# Altium PCB V5_CORE_V1.2.PcbDoc (part 3 of 3)
Units mm, origin at the board's own origin, x right, y up, seen from the top; angles counter-clockwise.
Board outline 33.75 x 33.75 mm, 6 copper layers (Top Layer, GND, S1, S2, POWER, Bottom Layer), stack 1.231 mm thick; 142 components, 227 nets, 732 pads, 359 vias.
Unrouted connection lines stored in the file: 1.
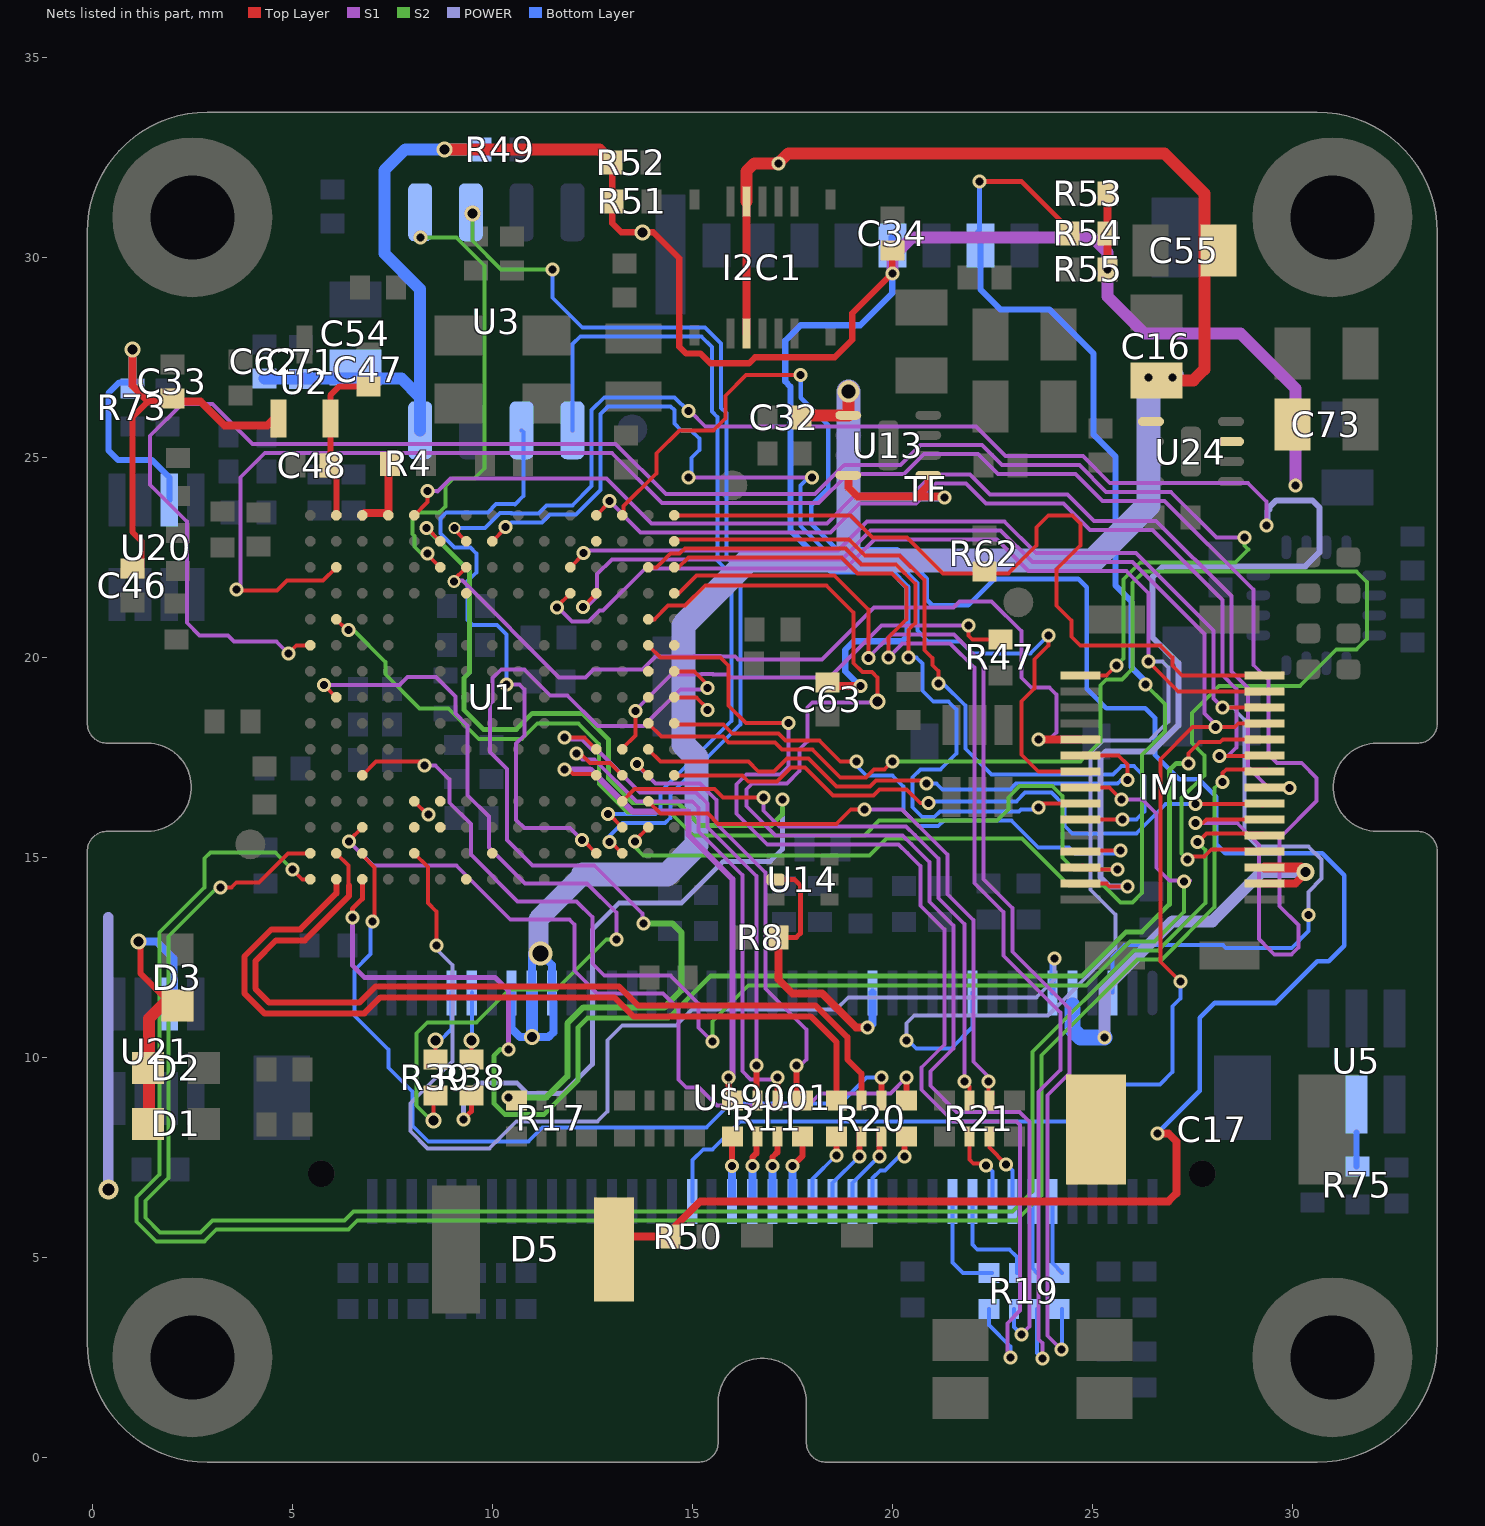
[diagram p7: the nets of this part, all layers, seen from the top]

## Via types
v1: diameter 0.35, hole 0.2, Top Layer to Bottom Layer, tented both sides, 330 vias
v2: diameter 0.4, hole 0.25, Top Layer to Bottom Layer, tented both sides, 18 vias
v3: diameter 0.325, hole 0.2, Top Layer to Bottom Layer, tented both sides, 3 vias
v4: diameter 0.4, hole 0.2, Top Layer to Bottom Layer, tented both sides, 2 vias
v5: diameter 0.6, hole 0.4, Top Layer to Bottom Layer, tented both sides, 1 vias
v6: diameter 0.3, hole 0.2, Top Layer to Bottom Layer, tented both sides, 1 vias
v7: diameter 0.32, hole 0.2, Top Layer to Bottom Layer, tented both sides, 1 vias
v8: diameter 0.55, hole 0.35, Top Layer to Bottom Layer, tented both sides, 1 vias
v9: diameter 0.45, hole 0.25, Top Layer to Bottom Layer, tented both sides, 1 vias
v10: diameter 0.5, hole 0.3, Top Layer to Bottom Layer, tented both sides, 1 vias

## Nets (pads, with @x,y where several pads share a name; then routed paths per layer and width w, separated by ;. In a path a pad name is that pad's centre, name@x,y a point inside that pad or via, vN(x,y) a via of type N, cw(c..) or ccw(c..) an arc to the next point about the centre after c; other vN are vias at no path point) (continued)
SDMMC1_D3: R54.2 TF.2 U1.B13 | length 37.6
  Top Layer w0.1: v1@13.567,15.417 U1.B13@13.9,15.75
  Top Layer w0.125: v1(22.175,31.9) 23.225,31.9 R54.2@24.425,30.7
  S2 w0.1: v1(13.567,15.398) 13.567,15.258 13.775,15.05 19.437,15.05 19.487,15.1 19.856,15.47 22.806,15.47 22.811,15.475 23.243,15.475 24.418,14.3 25.281,14.3 25.706,13.875 26.003,13.875 26.237,14.11 26.237,17.562 26.815,18.14 26.815,18.835 v1(26.325,19.325)
  Bottom Layer w0.125: TF.2@22.1,30.6 22.175,30.675 v1(22.175,31.9)
  Bottom Layer w0.15: TF.2@22.2,30.5 22.2,29.2 22.7,28.7 23.925,28.7 25.025,27.6 25.025,25.575 25.575,25.025 25.575,21.8 25.975,21.4 25.975,19.755 26.325,19.405 v1(26.325,19.325)
SENSE_RESET: R75.1 U5.5 | length 0.8
  Bottom Layer w0.15: R75.1@31.6,7.275 U5.5@31.6,8.125
SERIAL1_CTS: R11.5 U$9001.44 | length 1.5
  Top Layer w0.15: v1(15.995,7.286) R11.5@15.995,8.02
  Bottom Layer w0.2: U$9001.44@15.995,6.4 v1@15.995,7.186
SERIAL1_RTS: R11.6 U$9001.42 | length 1.6
  Top Layer w0.15: v1(16.503,7.286) 16.503,7.503 16.6,7.6 16.6,8 R11.6@16.625,8.025
  Bottom Layer w0.2: U$9001.42@16.503,6.4 v1@16.503,7.186
SERIAL1_RX: R11.8 U$9001.38 | length 1.6
  Top Layer w0.15: v1(17.507,7.286) 17.75,7.529 R11.8@17.75,8.025
  Bottom Layer w0.2: U$9001.38@17.507,6.4 v1@17.507,7.186
SERIAL1_TX: R11.7 U$9001.40 | length 1.6
  Top Layer w0.15: v1(17.007,7.286) 17.007,7.507 17.125,7.625 R11.7@17.125,8.025
  Bottom Layer w0.2: U$9001.40@17.007,6.4 v1@17.007,7.186
SERIAL2_CTS: R20.7 U$9001.32 | length 2
  Top Layer w0.15: v1(19.675,7.525) R20.7@19.675,8.1
  Bottom Layer w0.1: U$9001.32@19.007,6.4 19.007,6.863 19.67,7.525 v1(19.675,7.525)
SERIAL2_RTS: R20.8 U$9001.30 | length 2.2
  Top Layer w0.15: v1(20.3,7.525) R20.8@20.3,8.1
  Bottom Layer w0.1: U$9001.30@19.507,6.4 19.507,6.982 19.7,7.175 19.82,7.175 20.17,7.525 v1(20.3,7.525)
SERIAL2_RX: R20.6 U$9001.34 | length 2
  Top Layer w0.15: v1(19.175,7.525) R20.6@19.175,8.1
  Bottom Layer w0.1: U$9001.34@18.507,6.4 18.507,6.858 v1(19.175,7.525)
SERIAL2_TX: R20.5 U$9001.36 | length 2
  Top Layer w0.15: v1(18.6,7.55) R20.5@18.6,8.025 R20.5@18.6,8.125
  Bottom Layer w0.1: U$9001.36@18.007,6.4 18.007,6.957 v1(18.6,7.55)
SPI1_CS1_ICM20689: IMU.22 U1.H2 | length 27.1
  Top Layer w0.1: U1.H2@10,22.9 v1@10.333,23.233 ; v1(23.9,20.55) 23.9,20.3 23.55,19.95 23.55,19.225 23.225,18.9 23.225,17.575 23.65,17.15 IMU.22@24.7,17.15
  S1 w0.1: v1(14.9,24.5) v1(17.99,24.5)
  Bottom Layer w0.1: v1(10.333,23.252) 10.357,23.252 10.48,23.375 11.245,23.375 11.445,23.575 12.093,23.575 12.705,24.187 12.705,26.087 12.893,26.275 14.459,26.275 14.551,26.183 14.551,25.849 14.725,25.675 14.97,25.675 15.175,25.47 15.175,25.18 14.975,24.98 14.975,24.625 14.85,24.5 v1(14.9,24.5) ; v1(17.99,24.5) 17.904,24.5 17.704,24.3 17.704,23.279 18.518,22.465 20.025,22.465 20.629,21.861 20.629,20.671 20.9,20.4 21.7,20.4 22,20.1 23.45,20.1 v1(23.9,20.55)
SPI1_CS2_ICM20602: IMU.29 U1.J2 | length 43.7
  Top Layer w0.1: v6@8.998,23.233 9.017,23.233 U1.J2@9.35,22.9 ; IMU.29@24.7,14.35 25.35,14.35 25.425,14.275 v1(25.875,14.275)
  S1 w0.1: v1(14.901,26.151) 14.949,26.151 15.325,25.775 20.452,25.775 22.089,25.775 22.835,25.029 24.771,25.029 25.438,24.362 28.887,24.362 29.35,23.9 v1(29.35,23.3)
  POWER w0.15: v1(25.875,14.275) 25.425,14.275 25.2,14.5 25.2,17.5 25.346,17.646 26.5,17.646 27.15,18.296 27.15,19.854 26.5,20.504 26.5,22 26.775,22.275 30.325,22.275 30.675,22.625 30.675,23.75 30.5,23.925 29.6,23.925 29.4,23.725 29.425,23.7 29.375,23.65 29.375,23.325 v1(29.35,23.3)
  Bottom Layer w0.1: v6@8.998,23.233 9.818,23.233 10.188,23.602 10.478,23.602 10.48,23.6 11.152,23.6 11.352,23.8 12,23.8 12.48,24.28 12.48,26.18 12.8,26.5 14.552,26.5 v1(14.901,26.151)
  Bottom Layer w0.15: v1@25.875,14.225 v1(25.875,14.275)
  other v6: 9.05,23.226
SPI1_CS3_BMI055_GYRO: IMU.20 U1.J3 | length 21.6
  Top Layer w0.1: v3@9.017,21.917 U1.J3@9.35,22.25
  Top Layer w0.2: v1(23.65,17.95) IMU.20@24.7,17.95
  S1 w0.1: v3@9.017,21.917 9.251,21.917 11.669,19.5 12.331,19.5 12.531,19.7 13.757,19.7 14.082,20.025 15.043,20.025 15.044,20.026 15.707,20.026 15.708,20.025 16.075,20.025 16.15,19.95 18.242,19.95 19.542,21.25 21.537,21.25 21.687,21.4 22.482,21.4 23.225,20.657 23.225,19.5 23.475,19.25 23.925,19.25 24.1,19.075 24.1,18.125 23.925,17.95 v1(23.65,17.95)
  other v3: 9.042,21.892
SPI1_CS4_BMI055_ACC: IMU.21 U1.B10 | length 14.4
  Top Layer w0.1: U1.B10@13.9,17.7 14.21,17.39 16.41,17.39 16.65,17.15 17.045,17.15 17.37,17.475 17.907,17.475 18.607,16.775 19.438,16.775 19.588,16.925 20.775,16.925 v1(20.85,16.85) ; IMU.21@24.7,17.55 25.65,17.55 25.876,17.324 v1(25.876,16.926)
  Bottom Layer w0.1: v1(20.85,16.85) 21.1,16.85 21.25,16.7 22.95,16.7 23.09,16.84 25.633,16.84 25.7,16.907 ; v1@25.719,16.926 v1@25.751,16.926
SPI1_DRDY1_ICM20689: IMU.27 U1.A9 | length 14.1
  Top Layer w0.1: U1.A9@14.55,18.35 14.575,18.325 15.775,18.325 16,18.1 17.157,18.1 17.332,17.925 18.175,17.925 18.7,17.4 v1(19.1,17.4) ; IMU.27@24.7,15.15 24.725,15.175 v1(25.7,15.175)
  Bottom Layer w0.1: v1(19.1,17.4) 19.1,17.3 19.35,17.05 20,17.05 20.275,16.775 20.275,16.164 20.663,15.776 21.139,15.776 21.288,15.925 22.975,15.925 23.65,15.25 24.414,15.25 24.564,15.1 25.7,15.1 v1(25.7,15.175)
SPI1_DRDY2_BMI055_GYRO: IMU.5 U1.R14 | length 47.2
  Top Layer w0.1: v1@3.125,14.25 3.475,14.25 3.6,14.375 4.168,14.375 4.893,15.1 U1.R14@5.45,15.1 ; v1(27.626,15.376) 27.851,15.6 29.25,15.6 IMU.5@29.3,15.55
  S2 w0.1: v1@3.125,14.25 1.9,13.025 1.9,6.982 1.325,6.407 1.325,5.993 1.693,5.625 2.707,5.625 3.007,5.925 6.307,5.925 6.532,6.15 23.007,6.15 23.5,6.643 23.5,10.136 26.039,12.675 26.649,12.675 27.825,13.851 27.825,15.177 v1(27.626,15.376)
  other v1: 3.2,14.25
SPI1_DRDY3_BMI055_ACC: IMU.9 U1.R15 | length 50
  Top Layer w0.1: v1(5,14.7) 5.25,14.45 U1.R15@5.45,14.45 ; v1(28.251,16.876) 28.251,17.101 28.35,17.2 29.35,17.2 IMU.9@29.3,17.15
  S2 w0.1: v1(5,14.7) 4.575,15.125 2.961,15.125 2.8,14.964 2.8,14.243 1.675,13.118 1.675,7.075 1.1,6.5 1.1,5.9 1.6,5.4 2.8,5.4 3.1,5.7 6.4,5.7 6.625,5.925 23.1,5.925 23.725,6.55 23.725,10.043 26.132,12.45 26.742,12.45 28.05,13.758 28.05,16.726 v1@28.2,16.876
SPI1_DRDY4_ICM20602: IMU.28 U1.P5 | length 26.4
  Top Layer w0.1: U1.P5@6.1,20.95 6.374,20.676 v1(6.4,20.676) ; IMU.28@24.7,14.75 24.75,14.8 24.85,14.7 v1(25.628,14.7)
  S1 w0.1: v1(6.4,20.676) 6.4,20.575 v1@6.411,20.564
  S2 w0.1: v1(6.4,20.676) 6.529,20.676 7.325,19.88 7.325,19.581 8.181,18.725 8.9,18.725 9.663,17.962 10.737,17.962 11.125,18.35 12.15,18.35 12.662,17.838 12.662,16.837 13.375,16.125 14.45,16.125 15.025,15.55 19.3,15.55 19.67,15.92 22.62,15.92 22.9,16.2 22.9,16.5 23.187,16.787 24,16.787 24.25,16.537 24.25,15 24.55,14.7 v1(25.628,14.7)
SPI1_DRDY5_BMI055_GYRO: IMU.10 U1.D1 | length 23.3
  Top Layer w0.1: U1.D1@12.6,23.55 12.933,23.883 v1(12.933,23.902) ; v1(28.176,17.526) 29.226,17.526 29.275,17.575 IMU.10@29.3,17.55
  S1 w0.1: v1(12.933,23.902) 13.71,23.125 18.459,23.125 19.18,23.846 19.205,23.846 19.209,23.85 20.599,23.85 21.099,24.35 21.847,24.35 22.347,23.85 24.283,23.85 24.949,23.183 26.501,23.183 28.251,21.433 28.251,19.555 28.6,19.207 28.6,17.75 28.376,17.526 v1(28.176,17.526)
SPI1_DRDY6_BMI055_ACC: IMU.11 U1.N15 | length 35.6
  Top Layer w0.1: v1(27.4,17.35) 27.4,17.6 27.676,17.876 28.196,17.876 28.27,17.95 IMU.11@29.3,17.95
  Top Layer w0.125: v1(6.5,13.5) 6.5,13.713 6.75,13.963 U1.N15@6.75,14.45
  S1 w0.125: v1(6.5,13.5) 6.5,12.3 6.8,12 10.07,12 10.4,11.67 v1(10.4,10.2)
  S2 w0.125: v1(10.4,10.2) 10.2,10.2 10.038,10.038 10.038,9.15 10.037,8.85 10.312,8.575 11.296,8.575 12.138,9.416 12.138,10.741 12.384,10.987 14.409,10.987 15.459,12.038 24.747,12.038 25.847,13.138 26.238,13.138 26.925,13.825 26.925,17.175 27.1,17.35 v1(27.4,17.35)
SPI1_MISO: IMU.6 U1.P3 | length 51.4
  Top Layer w0.1: v1(3.6,21.7) 3.572,21.7 3.536,21.664 4.614,21.664 4.864,21.914 5.764,21.914 U1.P3@6.1,22.25 U1.P3@6.102,22.25 ; v1(27.576,15.851) 27.756,15.851 27.855,15.95 IMU.6@29.3,15.95
  S1 w0.1: v1(3.6,21.7) 3.7,21.8 3.7,24.5 4.312,25.112 12.988,25.112 14.246,23.854 18.157,23.854 18.878,24.575 18.903,24.575 18.907,24.579 20.297,24.579 20.797,25.079 22.149,25.079 22.649,24.579 24.585,24.579 25.251,23.912 26.803,23.912 29.025,21.69 29.025,19.813 29.4,19.438 29.4,17.575 29.62,17.355 30.237,17.355 30.605,16.986 30.605,16.405 29.675,15.475 29.675,13.782 30.151,13.306 30.151,12.931 30.15,12.929 30.15,12.75 29.975,12.575 29.55,12.575 29.425,12.7 29.171,12.954 29.171,15.305 28.625,15.851 v1(27.576,15.851)
SPI1_MOSI: IMU.7 U1.A11 | length 16.6
  Top Layer w0.1: U1.A11@14.55,17.05 16.25,17.05 16.4,16.9 17.113,16.9 17.463,17.25 17.814,17.25 18.514,16.55 19.531,16.55 19.681,16.7 20.357,16.7 20.706,16.351 v1(20.901,16.351) ; v1(27.576,16.326) 29.224,16.326 29.25,16.3 IMU.7@29.3,16.35
  Bottom Layer w0.1: v1(20.901,16.351) v1@20.901,16.399 ; v1(27.576,16.326) 26.826,16.326 26.1,15.6 24.5,15.6 24.3,15.8 24.3,16.3 23.985,16.615 23.315,16.615 23.1,16.4 v1@20.9,16.4 ; v1@20.9,16.4 v1@20.901,16.399
SPI1_SCK: IMU.4 U1.B9 | length 35.2
  Top Layer w0.1: U1.B9@13.9,18.35 14.236,18.014 15.768,18.014 15.907,17.875 17.064,17.875 17.239,17.7 18,17.7 18.7,17 19.345,17 19.545,17.2 19.8,17.2 v1(20,17.4) ; v1(27.375,14.95) 27.45,15.025 27.8,15.025 27.975,15.2 IMU.4@29.026,15.2
  S2 w0.1: v1(20,17.4) 24.7,17.4 25.2,17.9 25.2,19.3 25.35,19.45 25.745,19.45 26,19.705 26,21.857 26.293,22.15 31.6,22.15 31.862,21.888 31.862,20.462 31.6,20.2 31.1,20.2 30.188,19.288 28.174,19.288 27.49,18.603 27.49,17.86 27.8,17.55 27.8,17.05 27.226,16.476 27.226,15.099 v1(27.375,14.95)
SPI2_CS_FRAM: U1.K3 U3.1 | length 11.2
  Top Layer w0.1: v1@8.4,22.575 8.375,22.575 U1.K3@8.7,22.25
  S2 w0.1: v1(8.2,30.5) 9.1,30.5 9.8,29.8 9.8,24.725 9.55,24.475 9.025,24.475 8.825,24.275 8.825,23.775 8.675,23.625 8.175,23.625 8,23.45 8,23.081 8.05,23.032 8.05,22.775 8.225,22.6 v1(8.375,22.6)
SPI2_MISO: U1.C14 U3.2 | length 23.5
  Top Layer w0.1: v1@12.917,15.433 U1.C14@13.25,15.1
  S2 w0.1: v2(9.5,31.1) 9.5,30.418 10.218,29.7 v1(11.5,29.7)
  Bottom Layer w0.1: v1(11.5,29.7) 11.5,29 12.25,28.25 15.318,28.25 15.722,27.846 15.722,26.232 15.85,26.103 15.85,22.511 16.2,22.161 16.2,18.318 14.45,16.568 14.45,15.988 14.32,15.858 13.258,15.858 12.898,15.498 12.933,15.463 v1(12.933,15.383)
SPI2_MOSI: U1.C13 U3.5 | length 20.1
  Top Layer w0.1: v1@12.917,16.083 U1.C13@13.25,15.75
  Bottom Layer w0.1: U3.5@12.005,25.675 12.005,27.83 12.2,28.025 15.225,28.025 15.497,27.753 15.497,26.138 15.625,26.01 15.625,22.418 15.975,22.068 15.975,18.411 14.2,16.636 14.2,16.2 14.083,16.083 v1(12.898,16.083)
SPI2_SCK: U1.D14 U3.6 | length 15.8
  Top Layer w0.1: v1@12.267,15.433 U1.D14@12.6,15.1
  S1 w0.1: v1(10.36,19.325) 10.675,19.325 10.8,19.2 10.8,18.05 10.598,17.848 10.598,15.938 10.803,15.733 11.942,15.733 12.242,15.433 v1(12.248,15.433)
  Bottom Layer w0.1: v1(10.36,19.325) 10.36,20.571 10.12,20.811 9.5,20.811 9.375,20.936 9.375,21.748 9.38,21.753 9.38,21.905 9.6,22.125 9.6,22.6 9.458,22.742 9.05,22.742 8.7,23.092 8.7,23.475 8.85,23.625 9.892,23.625 10.094,23.827 10.571,23.827 10.573,23.825 10.775,24.027 10.775,25.635 U3.6@10.735,25.675
SPI4_CS1_MS5611: IMU.8 U1.L1 | length 29.7
  Top Layer w0.1: U1.L1@8.05,23.55 8.383,23.883 8.375,23.89 ; 8.375,23.891 v1(8.375,24.151) ; IMU.8@29.3,16.75 29.35,16.8 29.424,16.726 v1@29.976,16.726
  S1 w0.1: v1(8.375,24.151) 8.629,24.151 8.63,24.15 8.955,24.475 12.855,24.475 13.98,23.35 18.366,23.35 19.087,24.071 19.112,24.071 19.116,24.075 20.506,24.075 21.006,24.575 21.94,24.575 22.44,24.075 24.376,24.075 25.042,23.408 26.594,23.408 28.476,21.526 28.476,19.649 28.896,19.229 28.896,17.254 29.424,16.726 v1@29.976,16.726
  other v1: 29.926,16.726
SPI4_CS2: IMU.16 U1.R6 | length 45.8
  Top Layer w0.1: v1(4.9,20.1) 5.1,20.3 U1.R6@5.45,20.3 ; IMU.16@24.7,19.55 25.35,19.55 v1(25.6,19.8)
  S1 w0.1: v1(4.9,20.1) 4.6,20.4 3.544,20.4 3.394,20.55 2.679,20.55 2.362,20.867 2.362,23.392 1.438,24.317 1.438,25.53 2.245,26.337 3.008,26.337 4.008,25.337 13.081,25.337 14.339,24.079 18.064,24.079 18.785,24.8 18.81,24.8 18.814,24.804 20.204,24.804 20.704,25.304 22.242,25.304 22.742,24.804 24.678,24.804 25.344,24.137 26.963,24.137 28.1,23 28.9,23 v1(28.8,23)
  S2 w0.1: v1(25.6,19.8) 25.775,19.975 25.775,21.95 26.2,22.375 28.575,22.375 28.9,22.7 28.8,22.8 v1(28.8,23)
SPI4_MISO: IMU.23 U1.N11 | length 32.3
  Top Layer w0.1: U1.N11@6.75,17.05 7.09,17.39 8.21,17.39 v1(8.3,17.3) ; IMU.23@24.7,16.75 25.425,16.75 v1(25.725,16.45)
  S1 w0.1: v1(8.3,17.3) 8.575,17.3 8.925,16.95 8.925,16.375 9.473,15.827 9.473,15.064 10.636,13.9 12.111,13.9 12.5,13.511 12.5,12.35 12.8,12.05 14.45,12.05 15.15,11.35 15.15,10.75 v1(15.5,10.4) ; v1(25.725,16.45) 26.25,16.45 26.6,16.1 26.6,14.75 26.925,14.425 v1@27.438,14.425
  S2 w0.1: v1(15.5,10.4) 15.5,10.9 16.4,11.8 24.845,11.8 25.945,12.9 26.555,12.9 27.287,13.632 v1(27.287,14.4)
SPI4_MOSI: IMU.24 U1.B3 | length 19
  Top Layer w0.1: U1.B3@13.9,22.25 14.112,22.25 14.452,22.59 14.678,22.59 14.813,22.725 18.83,22.725 19.23,22.325 20.088,22.325 20.575,21.838 20.575,20.857 20.4,20.682 v1(20.4,20) ; v1@23.65,16.35 IMU.24@24.7,16.35
  Top Layer w0.125: IMU.24@24.7,16.35 IMU.24@24.737,16.313
  Bottom Layer w0.1: v1(20.4,20) 20.6,20 20.755,19.845 20.755,19.232 20.75,19.227 20.75,19.175 21.025,18.9 21.4,18.9 21.6,18.7 21.6,17.6 21.2,17.2 20.995,17.2 20.705,17.2 20.5,16.995 20.5,16.257 20.756,16.001 21.046,16.001 21.195,16.15 23.168,16.15 23.218,16.2 23.5,16.2 v1@23.65,16.35
  other v1: 23.65,16.25
SPI4_SCK: IMU.25 U1.A2 | length 18.9
  Top Layer w0.1: U1.A2@14.55,22.9 14.6,22.95 18.923,22.95 19.323,22.55 20.181,22.55 20.8,21.931 20.8,20.182 21,19.982 21,19.805 21.15,19.655 v1(21.15,19.35) ; IMU.25@24.7,15.95 v1(25.75,15.95)
  Bottom Layer w0.1: v1(21.15,19.35) 21.268,19.35 21.825,18.793 21.825,17.725 22.485,17.065 25.52,17.065 25.731,17.276 26.049,17.276 26.3,17.025 26.3,16.15 26.1,15.95 v1(25.75,15.95)
SPI5_CS1_EX1: IMU.12 U1.D4 U$9001.48 | length 45.7
  Top Layer w0.1: v1(12.263,21.252) 12.263,21.263 U1.D4@12.6,21.6 ; v1(27.2,11.9) 26.7,12.4 26.7,17.45 27.501,18.251 v1(28.076,18.251) 28.551,18.251 28.65,18.35 IMU.12@29.3,18.35
  S1 w0.1: v1(12.263,21.252) 12.344,21.252 12.348,21.248 12.617,21.517 12.617,22.078 12.99,22.45 18.738,22.45 19.459,23.171 19.485,23.171 19.489,23.175 22.707,23.175 23.505,22.377 26.005,22.377 27.801,20.58 27.801,18.599 v1@28.113,18.287 ; v1(28.076,18.251) v1@28.149,18.251
  Bottom Layer w0.1: U$9001.48@15.005,6.4 15.005,7.43 15.275,7.7 15.5,7.7 16.2,8.4 24.7,8.4 25.625,9.325 26.689,9.325 27,9.636 27,11.269 27.2,11.469 v1(27.2,11.9)
SPI5_CS2_EX1: IMU.13 U1.E3 U$9001.5 | length 34.5
  Top Layer w0.1: U1.E3@11.95,22.25 12.283,22.583 v1(12.283,22.602) ; v1(28.25,18.75) IMU.13@29.3,18.75
  S1 w0.1: v1(12.283,22.602) 12.355,22.675 18.645,22.675 19.366,23.396 19.392,23.396 19.396,23.4 22.8,23.4 23.598,22.602 26.098,22.602 28.026,20.674 28.026,18.974 v1(28.25,18.75)
  POWER w0.1: v1(28.25,18.75) 28.525,18.75 28.6,18.675 28.6,18.65 28.8,18.45 28.8,15.6 29.125,15.275 30.4,15.275 30.734,14.941 30.734,14.469 30.401,14.136 v1(30.401,13.551)
  Bottom Layer w0.1: U$9001.5@25.507,11.616 25.507,12.507 25.801,12.801 28.274,12.801 28.349,12.726 29.976,12.726 30.401,13.151 v1(30.401,13.551)
SPI5_CS3_EX1: IMU.14 U1.E4 U$9001.19 | length 40.3
  Top Layer w0.1: v1(11.617,21.248) 11.617,21.267 U1.E4@11.95,21.6 ; v1(26.4,19.9) 27.15,19.15 IMU.14@29.3,19.15
  S1 w0.1: v1(11.617,21.248) 11.647,21.248 11.997,20.898 12.404,20.898 12.679,21.173 12.773,21.173 13.825,22.225 18.832,22.225 19.553,22.946 19.578,22.946 19.582,22.95 22.614,22.95 23.411,22.152 25.85,22.152 26.4,21.602 v1(26.4,19.9)
  POWER w0.1: v1(20.35,10.425) 20.35,10.85 20.55,11.05 23.89,11.05 25.575,12.735 25.575,13.135 25.575,13.575 24.95,14.2 24.95,17.604 25.271,17.925 26.425,17.925 26.9,18.4 26.9,19.75 26.75,19.9 v1(26.4,19.9)
  Bottom Layer w0.1: v1@20.4,10.425 20.6,10.225 21.475,10.225 22.007,10.757 U$9001.19@22.007,11.616
SPI5_DRDY7_EXTERNAL1: U1.L14 U$9001.11 | length 28.2
  Top Layer w0.1: U1.L14@8.05,15.1 8.39,14.76 8.39,13.856 8.6,13.646 v1(8.6,12.8)
  POWER w0.1: v1(8.6,12.8) 8.6,12.71 9,12.31 9,9.9 7.95,8.85 7.95,8.155 8.38,7.725 9.925,7.725 10.6,8.4 12.625,8.4 12.875,8.65 12.875,10.425 13.25,10.8 14.6,10.8 14.989,11.189 18.589,11.189 18.9,11.5 23.6,11.5 24.05,11.95 v1(24.05,12.475)
  Bottom Layer w0.15: U$9001.11@24.007,11.616 v1@24.007,12.475
SPI6_CS3_EXTERNAL2: U1.D2
SPI6_MOSI_EX2: U1.A6
SPI6_MOSI_EXTERNAL2: U1.B8
SPI6_SCK_EXTERNAL2: U1.A8 | length 1
  Top Layer w0.1: U1.A8@14.55,19 15.1,19 15.376,18.724 v1(15.376,18.676)
SPIAUX_CS_MEM: U1.J4
TF_3V3: C34.2 C54.1 C62.2 C63.2 C71.2 C73.1 R49.1 R51.1 R52.1 R53.1 R54.1 R55.1 TF.4 U3.8 U24.7 | length 66.6
  Top Layer w0.154: R52.1@13,32.375 13,30.85 13.225,30.625 v2(13.75,30.625) 14.025,30.625 14.675,29.975 14.675,27.764 14.841,27.598 15.202,27.598 15.448,27.352 16.421,27.352 16.571,27.502 18.563,27.502 19,27.939 19,28.6 v1(20,29.6) ; C34.2@20,29.95 v1(20,29.6) ; C34.2@20,30.175 v1(20,29.6)
  Top Layer w0.2: C63.2@18.25,19.35 18.324,19.276 v1(19.201,19.276) ; v1(25.375,29.7) R54.1@25.375,30.6 R53.1@25.375,31.6 R53.1@25.375,31.7
  Top Layer w0.3: v2(8.8,32.7) 12.675,32.7 R52.1@13,32.375
  S1 w0.3: v1(20,29.6) 20,30 20.5,30.5 25,30.5 25.375,30.125 v1(25.375,29.7) 25.375,29.025 26.3,28.1 28.7,28.1 30.075,26.725 v1(30.075,24.3)
  Bottom Layer w0.154: v1(19.201,19.276) 19.199,19.276 18.823,19.652 18.823,20.183 19.04,20.4 20.25,20.4 20.377,20.527 20.377,21.756 19.985,22.148 18.479,22.148 17.452,23.175 17.452,26.767 17.324,26.895 17.324,27.917 17.706,28.3 19.2,28.3 20,29.1 v1(20,29.6)
  Bottom Layer w0.2: v1(20,29.6) TF.4@20,30.5
  Bottom Layer w0.3: C62.2@4.3,26.975 7.725,26.975 8.195,26.505 ; U3.8@8.195,25.675 8.195,26.505 ; R49.1@9.725,32.7 v2(8.8,32.7) 7.825,32.7 7.3,32.175 7.3,30.1 8.195,29.205 8.195,26.505
UART4_RX: R21.2 U1.B12 | length 15
  Top Layer w0.1: U1.B12@13.9,16.4 14.21,16.09 15.392,16.09 15.644,15.837 18.6,15.837 18.962,16.2 v1(19.3,16.2) ; R21.2@22.4,9.092 v1(22.4,9.4) ; R21.2@22.425,8.925 22.379,8.971 R21.2@22.5,9.092
  S1 w0.1: v1(19.3,16.2) 20.239,16.2 20.663,15.776 21.375,15.064 21.375,14.08 22.025,13.43 22.025,9.9 22.5,9.425 v1@22.5,9.4
UART4_RX_PORT: R21.7 U$9001.16 | length 1.9
  Top Layer w0.1: R21.7@22.425,8.025 22.425,7.743 v1(22.843,7.325)
  Bottom Layer w0.1: v1@22.85,7.325 23.007,7.168 U$9001.16@23.007,6.4
UART4_TX: R21.3 U1.C12 | length 15.3
  Top Layer w0.1: U1.C12@13.25,16.4 13.56,16.71 15.554,16.71 15.764,16.5 v1@16.8,16.5 ; v1(21.8,9.4) 21.925,9.275 R21.3@21.925,8.925
  S1 w0.1: v1@16.8,16.5 16.775,16.475 16.775,16.175 17.175,15.775 20.345,15.775 20.57,15.551 21.15,14.97 21.15,13.986 21.8,13.336 v1(21.8,9.4)
  other v1: 16.775,16.5
UART4_TX_PORT: R21.6 U$9001.18 | length 2
  Top Layer w0.1: R21.6@21.925,8.025 21.925,7.45 22.025,7.35 22.293,7.35 v1(22.343,7.3)
  Bottom Layer w0.1: v1@22.35,7.3 22.507,7.143 U$9001.18@22.507,6.4
UART7_RX: R38.1 U1.K2 | length 31.2
  Top Layer w0.1: v1@8.348,23.233 8.367,23.233 U1.K2@8.7,22.9
  Top Layer w0.125: v1(9.275,8.45) 9.475,8.65 R38.1@9.475,9.05
  S2 w0.125: v1@8.348,23.226 v1@8.348,23.233 ; v1@8.375,23.226 v1(8.35,23.226) 9.425,22.152 9.425,19.613 9.288,19.476 9.288,18.687 9.775,18.2 10.6,18.2 11,18.6 12.25,18.6 12.9,17.95 12.9,16.975 13.5,16.375 14.625,16.375 15.2,15.8 16.975,15.8 17.25,16.075 v1@17.25,16.375
  POWER w0.125: v1(9.275,8.45) 9.275,8.975 9.663,9.363 10.612,9.363 10.875,9.1 11.775,9.1 12.5,9.825 12.5,13.189 13.172,13.861 14.736,13.861 15.775,14.9 16.95,14.9 17.25,15.2 v1(17.25,16.45)
UART7_RX_PORT: R38.2 U$9001.69 | length 1.7
  Top Layer w0.1: v2@9.45,10.4 9.475,10.375 R38.2@9.475,9.95
  Bottom Layer w0.1: v2(9.475,10.425) 9.493,10.443 U$9001.69@9.493,11.616
UART7_TX: R39.1 U1.P8 | length 21.7
  Top Layer w0.1: v1@5.764,19.336 v1(5.789,19.311) U1.P8@6.1,19 ; v2(8.525,8.425) 8.525,9 R39.1@8.575,9.05
  S1 w0.1: v1(5.789,19.311) 7.686,19.311 7.876,19.501 8.599,19.501 9.075,19.025 9.075,18.593 9.375,18.293 9.375,16.561 9.923,16.014 9.923,15.25 10.823,14.35 12.364,14.35 13.1,13.614 v1(13.1,12.95)
  S2 w0.1: v2(8.525,8.425) 8.475,8.425 8.1,8.8 8.1,10.6 8.375,10.875 9.6,10.875 10.425,11.7 11.6,11.7 12.85,12.95 v1(13.1,12.95)
UART7_TX_PORT: R39.2 U$9001.71 | length 2
  Top Layer w0.1: R39.2@8.575,9.95 8.575,10.375 v2@8.625,10.425
  Bottom Layer w0.1: v2@8.5,10.4 8.675,10.4 8.985,10.71 U$9001.71@8.985,11.616
  other v2: 8.575,10.425
UART8_RX: R19.1 U1.A4 | length 29.5
  Top Layer w0.1: U1.A4@14.55,21.6 14.657,21.6 15.107,22.05 18.55,22.05 19.4,21.2 v1(19.4,19.977)
  S1 w0.1: v1(19.4,19.977) 19.4,19.995 19.98,20.575 21.538,20.575 22.275,19.838 22.275,14.452 23,13.727 23,12.643 24.425,11.218 24.425,9.589 23.875,9.039 23.875,3.05 v1(24.225,2.7)
  Bottom Layer w0.1: v1(24.225,2.7) 24.248,2.723 R19.1@24.248,3.711
UART8_RX_DEBUG: R19.8 U$9001.12 | length 1.9
  Bottom Layer w0.1: U$9001.12@24.007,6.4 24.007,4.851 R19.8@24.248,4.61
UART8_TX: R19.2 U1.A3 | length 30.4
  Top Layer w0.1: U1.A3@14.55,22.25 14.557,22.243 14.65,22.243 14.907,22.5 18.736,22.5 19.136,22.1 19.995,22.1 20.35,21.745 20.35,20.95 19.9,20.5 v1(19.9,20)
  S1 w0.1: v1(19.9,20) 19.905,20 20.255,20.35 20.3,20.35 21.445,20.35 22.05,19.745 22.05,14.359 22.775,13.634 22.775,12.55 24.2,11.125 24.2,9.682 23.65,9.132 23.65,2.957 23.75,2.857 v1(23.75,2.475)
  Bottom Layer w0.1: R19.2@23.623,3.711 23.623,2.602 v1(23.75,2.475)
UART8_TX_DEBUG: R19.7 U$9001.14 | length 1.8
  Bottom Layer w0.1: U$9001.14@23.507,6.4 23.507,4.726 R19.7@23.623,4.61
UI_LED_BLUE: U1.K12
UI_LED_GREEN: U1.L12 | length 0.5
  Top Layer w0.1: U1.L12@8.05,16.4 8.383,16.067 v1(8.402,16.067)
UI_LED_RED: U1.L13
USART1_GPS1_RX: R19.6 U$9001.20 | length 2.7
  Bottom Layer w0.1: U$9001.20@22.007,6.4 22.007,5.318 22.125,5.2 22.925,5.2 23.123,5.002 R19.6@23.123,4.61
USART1_GPS1_TX: R19.5 U$9001.22 | length 2.6
  Bottom Layer w0.1: U$9001.22@21.507,6.4 21.507,4.868 21.765,4.61 R19.5@22.498,4.61
USART1_RX_GPS: R19.3 U1.B5 | length 34
  Top Layer w0.1: U1.B5@13.9,20.95 14.05,20.95 14.39,21.29 14.815,21.29 15.325,21.8 18.35,21.8 19.025,21.125 19.025,19.857 19.255,19.627 19.498,19.627 19.625,19.5 v2(19.625,18.9)
  S1 w0.1: v2(19.625,18.9) 19.6,18.875 18,18.875 17.875,18.75 17.875,17.9 17.675,17.7 17.675,17.157 17.368,16.85 16.5,16.85 16.35,16.7 16.35,16.282 17.082,15.55 20.252,15.55 20.476,15.326 20.925,14.877 20.925,13.893 21.525,13.293 21.525,10.22 20.95,9.645 20.95,9.293 21.606,8.638 23.181,8.638 23.425,8.393 23.425,3.275 v1(23.225,3.075)
  Bottom Layer w0.1: R19.3@23.048,3.711 23.048,3.252 v1@23.25,3.05
USART1_TX_GPS: R19.4 U1.B6 | length 29.6
  Top Layer w0.1: U1.B6@13.9,20.3 14.21,19.99 15.71,19.99 15.9,19.8 15.9,18.8 16.349,18.351 v1(17.401,18.351)
  S1 w0.1: v1(17.401,18.351) 17.401,17.276 17.2,17.075 16.35,17.075 16.1,16.825 16.1,16.1 16.875,15.325 20.159,15.325 20.383,15.101 20.7,14.784 20.7,13.8 21.3,13.2 21.3,10.313 20.725,9.738 20.725,9.2 21.525,8.4 23.1,8.4 23.193,8.307 23.193,3.668 22.875,3.35 22.875,2.575 v1(22.95,2.5)
  Bottom Layer w0.1: R19.4@22.423,3.711 22.423,3.302 22.95,2.775 v1(22.95,2.5)
USART2_CTS: R11.4 U1.D11 | length 12.1
  Top Layer w0.1: v1@11.9,17.2 12.017,17.083 12.6,17.083 U1.D11@12.6,17.05
  Top Layer w0.15: v1(15.9,9.5) 15.9,9.025 R11.4@16,8.925
  S1 w0.15: v1(11.8,17.2) 12.446,17.2 13.5,16.146 14.9,16.146 14.9,15.557 16,14.457 16,9.841 16,9.5 v1(15.9,9.5)
USART2_RTS: R11.3 U1.D10 | length 12.9
  Top Layer w0.1: v1(11.8,18) 12.3,18 U1.D10@12.6,17.7
  Top Layer w0.15: R11.3@16.6,8.95 R11.3@16.625,8.925 ; R11.3@16.6,9.15 v1(16.6,9.8)
  S1 w0.1: v1(11.8,18) 11.85,17.95 12.245,17.95 12.52,17.675 12.643,17.675 13.697,16.621 14.51,16.621 15.097,16.621 15.375,16.343 15.375,15.757 15.375,15.753 16.6,14.528 16.6,13.472 v1(16.6,9.8)
USART2_RX: R11.1 U1.B11 | length 11.6
  Top Layer w0.1: v1@13.567,17.383 U1.B11@13.9,17.05
  Top Layer w0.15: v1(17.6,9.8) 17.6,9 R11.1@17.7,8.9
  S1 w0.1: v1@13.548,17.383 14.084,16.846 14.604,16.846 15.19,16.846 15.6,16.436 15.6,15.85 15.6,15.846 16.825,14.621 16.825,11.721 17.85,10.696 17.85,9.95 17.7,9.8 v1(17.6,9.8)
  other v1: 13.623,17.333
USART2_TX: R11.2 U1.C11 | length 13.6
  Top Layer w0.1: v1(12.1,17.6) 12.2,17.6 12.44,17.36 12.94,17.36 U1.C11@13.25,17.05
  Top Layer w0.15: R11.2@17.125,8.925 v1(17.125,9.5)
  S1 w0.1: v1(12.1,17.6) 12.25,17.45 12.55,17.45 13.604,16.396 14.417,16.396 15.004,16.396 15.15,16.25 15.15,15.664 15.15,15.66 16.25,14.56 16.25,9.945 16.25,9.655 16.455,9.45 17.075,9.45 v1(17.125,9.5)
USART3_CTS: R20.2 U1.N14 | length 20.9
  Top Layer w0.1: U1.N14@6.75,15.1 6.75,15.055 7.06,14.745 7.06,13.46 v1(7,13.4)
  Top Layer w0.15: R20.2@19.725,8.925 v1(19.725,9.5)
  Bottom Layer w0.1: v1(7,13.4) 6.959,13.359 6.959,12.577 6.55,12.168 6.55,11.05 7.4,10.2 7.4,9.75 8,9.15 8,8.3 8.4,7.9 10.9,7.9 11.25,8.25 15.35,8.25 15.95,8.85 18.704,8.85 19.354,9.5 v1(19.725,9.5)
USART3_RTS: R20.1 U1.N13 | length 19.7
  Top Layer w0.1: v1(6.417,15.398) 6.417,15.417 U1.N13@6.75,15.75
  Top Layer w0.15: R20.1@20.35,8.925 v1(20.35,9.5)
  S1 w0.1: v1(6.417,15.398) 7.015,14.8 9.1,14.8 10.45,13.45 11.925,13.45 12.05,13.325 12.05,12.164 12.614,11.6 14.264,11.6 14.65,11.214 14.65,9.45 14.85,9.25 15.166,9.25 15.616,8.8 17.9,8.8 18.2,9.1 19.95,9.1 v1(20.35,9.5)
USART3_RX: R20.3 U1.P14 | length 22.3
  Top Layer w0.1: U1.P14@6.1,15.1 6.41,14.79 6.41,14.293
  Top Layer w0.15: 6.417,14.293 6.417,14.028 5.314,12.925 4.595,12.925 4.075,12.405 4.075,11.714 4.414,11.375 6.686,11.375 7.086,11.775 13.164,11.775 13.639,11.3 18.076,11.3 18.875,10.501 18.875,9.944 19.225,9.594 R20.3@19.225,8.925
USART3_TX: R20.4 U1.P15 | length 21.3
  Top Layer w0.15: U1.P15@6.1,14.45 6.1,14.1 5.2,13.2 4.481,13.2 3.8,12.519 3.8,11.6 4.3,11.1 6.8,11.1 7.2,11.5 13.05,11.5 13.525,11.025 17.962,11.025 18.6,10.387 R20.4@18.6,8.925
USART6_CTS: U1.B7
USART6_RTS: U1.H14
USART6_RX: R47.1 U1.C10 | length 11.5
  Top Layer w0.1: U1.C10@13.25,17.7 13.25,17.714 13.576,18.04 v1(13.576,18.651) ; v1(21.9,20.8) 21.9,20.55 22,20.45 R47.1@22.7,20.45
  S1 w0.1: v1(13.576,18.651) 13.576,18.676 14.475,19.575 15.23,19.575 15.231,19.576 15.521,19.576 15.522,19.575 15.888,19.575 15.963,19.5 18.428,19.5 19.728,20.8 v1(21.9,20.8)
USART6_TX: R17.4 U1.A7 | length 24.8
  Top Layer w0.1: U1.A7@14.55,19.65 15.05,19.65 v1@15.425,19.275
  S1 w0.1: v1@13.75,13.35 13.75,13.6 12.55,14.8 11.009,14.8 10.373,15.436 10.373,17.202 9.948,17.627 9.948,18.828 10.01,18.89 10.01,19.485 10.225,19.7 10.8,19.7 11.45,19.05 11.875,19.05 12.642,18.283 13.783,18.283 14.7,19.2 15.35,19.2 v1(15.376,19.226)
  S2 w0.15: v1(10.4,9) 11.35,9 11.875,9.525 11.875,10.85 12.275,11.25 14.3,11.25 14.725,11.675 14.725,13.125 14.5,13.35 v1(13.775,13.35)
VBAT: D5.1 R50.1 U1.C1 | length 57.5
  Top Layer w0.1: U1.C1@13.25,23.55 13.283,23.583 13.283,23.783 14.1,24.6 14.1,25.095 14.68,25.675 15.525,25.675 15.825,25.975 15.825,26.528 16.349,27.051 v1(17.701,27.051)
  Top Layer w0.12: D5.1@12.949,5.1 D5.1@13.374,5.525
  Top Layer w0.2: D5.1@13.374,5.525 R50.1@14.45,5.525 14.45,5.65 15.2,6.4 26.9,6.4 27.1,6.6 27.1,7.9 26.9,8.1 v1(26.625,8.1)
  Bottom Layer w0.12: v1(17.701,27.051) 17.714,27.038 17.714,26.486 18.4,25.8 18.4,24.225 17.975,23.8 17.975,23.341 18.616,22.7 20.122,22.7 20.864,21.958 20.864,21.436 21,21.3 21.9,21.3 22.56,21.96 24.649,21.96 24.86,21.749 24.86,19.215 25.35,18.725 26.325,18.725 26.565,18.485 26.565,17.56 27.175,16.95 27.659,16.95 28.1,16.509 28.1,15.325 28.325,15.1 30.75,15.1 31.3,14.55 31.3,12.791 30.909,12.4 30.627,12.4 29.587,11.36 28.06,11.36 27.685,10.985 27.685,9.16 v1(26.625,8.1)
VBUS: R8.2 U14.5 U$9001.29 | length 7
  Top Layer w0.1: R8.2@17.15,13 R8.2@17.189,13
  Top Layer w0.125: U14.5@17.085,14.441 17.559,14.441 17.7,14.3 17.7,13.1 17.6,13 R8.2@17.189,13
  Top Layer w0.2: R8.2@17.15,13 17.15,11.95 17.5,11.6 18.241,11.6 19.09,10.751 v1(19.376,10.751)
  Bottom Layer w0.2: v1@19.5,10.83 U$9001.29@19.5,11.616
VDD_3V3_SENSORS_EN: IMU.15 R62.1 U1.A1 | length 20.3
  Top Layer w0.1: U1.A1@14.55,23.55 18.959,23.55 19.509,23 20.368,23 21.268,22.1 22.9,22.1 23.6,22.8 23.6,23.25 23.9,23.55 24.5,23.55 24.7,23.35 24.7,22.8 24.1,22.2 24.1,21.3 24.475,20.925 24.475,20.525 24.7,20.3 26.7,20.3 27,20 27,19.8 27.25,19.55 IMU.15@29.3,19.55
VDD_5V_IN: C16.1 C32.2 C33.2 C46.1 C55.1 D1.1 D2.1 D3.1 I2C1.2 I2C1.9 R73.2 U2.1 U13.1 U13.4 U13.5 U20.3 U21.3 U24.1 U$9001.61 U$9001.63 U$9001.65 | length 96.3
  Top Layer w0.15: v2@1.153,12.847 v2(1.153,12.9) 1.2,12.853 1.2,12.1 1.875,11.425 D3.1@2,11.3 ; C46.1@1.225,22.275 1.225,22.906 1,23.131 1,26 1.4,26.4 ; C33.2@1.925,26.4 C33.2@2,26.475
  Top Layer w0.2: v2(1,27.7) 1,26.8 1.4,26.4 1.925,26.4 2.7,26.4 3.3,25.8 4.375,25.8 U2.1@4.65,26.075 ; I2C1.2@16.35,28.1 I2C1.9@16.35,31.4 ; U13.4@18.9,24.55 18.9,24.25 19.125,24.025 20.625,24.025 ; U13.5@20.9,24.55 20.9,24.3 20.625,24.025 ; v1(21.3,24) 21.275,24.025 20.625,24.025
  Top Layer w0.3: D1.1@1.416,8.583 1.416,10.966 D3.1@1.875,11.425 ; I2C1.9@16.35,31.4 16.35,32.15 16.55,32.35 v1(17.15,32.35) 17.4,32.6 26.8,32.6 27.8,31.6 27.8,27.2 27.525,26.925 C16.1@26.6,26.925 ; C32.2@17.775,26.05 U13.1@18.9,26.05 v8@18.9,26.775
  POWER w0.2: 18.9,24.025 18.925,24 v1(21.3,24)
  POWER w0.254: v10@0.4,6.9 0.398,6.902 0.398,13.498 0.4,13.5
  POWER w0.5: v5@11.15,12.572 11.15,12.772 11.15,13.45 12.274,14.574
  POWER w0.6: 12.274,14.574 14.374,14.574 15.1,15.3 15.1,17.499 14.775,17.824 14.775,20.8 16.4,22.425 25.025,22.425 26.4,23.8 26.4,26.838 26.562,27 v4(27,27) ; 18.9,22.5 18.9,24.025 v8(18.9,26.65)
  Bottom Layer w0.15: R73.2@1,26.875 0.675,26.875 0.4,26.6 0.4,25.175 0.638,24.937 1.488,24.937 1.926,24.499 U20.3@1.926,23.934
  Bottom Layer w0.2: R73.2@1,26.875 v2(1,27.7) ; v2(1.153,12.9) 1.6,12.9 2.026,12.474 U21.3@2.026,11.234 ; U$9001.65@10.483,11.616 10.483,10.717 10.691,10.509 v2(10.991,10.509) 11.409,10.509 11.525,10.625 U$9001.61@11.525,11.375 ; U$9001.63@10.991,11.616 v5@10.991,12.6 ; v5(11.2,12.6) 11.499,12.301 U$9001.61@11.499,11.616
  Bottom Layer w0.3: v2(10.991,10.509) U$9001.63@10.991,11.616
  other v4: 26.4,27
  other v10: 0.4,6.7
VDD_5V_IN_IMU: C17.A IMU.2 IMU.3 U$9001.9 | length 11.1
  Top Layer w0.2: IMU.2@29.3,14.35 30.084,14.35 v9@30.334,14.6
  Top Layer w0.25: IMU.3@29.3,14.75 30.219,14.75 v9(30.334,14.634)
  POWER w0.3: v1(25.3,10.5) 25.3,11.7 27,13.4 28,13.4 29.234,14.634 v9(30.334,14.634)
  Bottom Layer w0.4: U$9001.9@24.507,11.3 24.507,10.693 24.7,10.5 v1(25.3,10.5)
VDD_5V_RC_EN: U1.K13
VDD_5V_WIFI_EN: U1.J15
VREF+: C47.2 C48.2 U1.P1 U2.2 | length 3.8
  Top Layer w0.15: C48.2@5.95,24.775 U2.2@5.95,25.975 5.95,26.55 6.175,26.775 C47.2@6.9,26.775 ; U1.P1@6.1,23.55 C48.2@6.1,24.575
VREF-: R4.2 U1.M1 U1.N1 | length 1.9
  Top Layer w0.2: U1.N1@6.75,23.55 6.808,23.608 7.342,23.608 U1.M1@7.4,23.55 R4.2@7.4,24.75
pads on no net: BOOT0.A1 BOOT0.B3 I2C1.0 I2C1.5 I2C1.6 M1.1 M2.1 R21.1 R21.8 U1.D13 U4.3 U4.4 U4.7 U4.8 U4.12 U4.15 U5.3 U13.6 U24.6 U$9001.hole-2

## Polygon pours and split planes (outlines as drawn)
GND on Top Layer "NONET_L-01_P-001" (solid, remove dead copper, pour order 102): -0.3,-0.3 32.6,-0.3 33.8,0.9 33.8,32 33.7,32 31.7,34 31.5,33.8 2.6,33.8 1.6,33.8 -0.2,32
TF_3V3 on Top Layer "Top Layer-No Net" (solid, remove dead copper, pour order 2): 28.1,25.2 29.2,25.2 29.3,25.1 29.3,23.9 30.1,23.9 30.3,24.1 30.5,24.3 30.5,26.5 29.5,26.5 29.5,25.7 29.5,25.6 29.4,25.5 28.1,25.5
VDD_5V_IN on Top Layer "NONET_L-01_P-001" (solid, remove dead copper, pour order 6): 25.85,25.65 27.3,25.65 27.4,25.75 27.45,25.8 27.45,27.45 25.95,27.45 25.85,27.35
IMU_3V3 on Top Layer "NONET_L-01_P-001" (solid, remove dead copper, pour order 8): 28.075,25.7 29.5,25.7 29.5,26.5 30.5,26.5 30.5,28.325 30.35,28.475 28.05,28.475
MCU_3V3 on Top Layer "NONET_L-01_P-001" (solid, remove dead copper, pour order 10): 20.6,25.9 21.3,25.9 21.4,26 21.4,26.5 21.4,27.2 21.5,27.3 23,27.3 23,28.8 21.8,28.8 21.7,28.8 21.6,28.7 21.5,28.6 21.5,27.9 20.1,27.9 20,27.8 20,26.6 20.4,26.6 20.6,26.4
IO1_3V3 on Top Layer "NONET_L-01_P-001" (solid, remove dead copper, pour order 12): 20.6,25.4 21.6,25.4 21.6,24.6 21.8,24.4 22.6,24.4 22.6,25.2 22.8,25.4 23,25.4 23,27 21.6,27 21.6,25.9 21.5,25.8 21.4,25.7 20.5,25.7
VDD_5V_IN_IMU on Top Layer "NONET_L-01_P-001" (solid, remove dead copper, pour order 90): 24.6,11 25.5,11 25.7,10.8 25.7,10.2 25.893,10.007 25.9,10 25.9,6.8 24.2,6.8 24.2,10.6
GND on S1 "NONET_L-01_P-001" (solid, remove dead copper, pour order 94): -0.3,-0.3 32.6,-0.3 33.8,0.9 33.8,32 33.7,32 31.7,34 31.5,33.8 2.6,33.8 1.6,33.8 -0.2,32
VDD_5V_IN on S1 "NONET_L-01_P-001" (solid, remove dead copper, pour order 20): 10.4,10.2 11.85,10.2 11.85,12.575 11.575,12.85 11.525,12.8 10.6,12.8 10.4,12.6 10.4,11.4
GND on POWER "NONET_L-01_P-001" (solid, remove dead copper, pour order 98): -0.3,-0.3 32.6,-0.3 33.8,0.9 33.8,32 33.7,32 31.7,34 31.5,33.8 2.6,33.8 1.6,33.8 -0.2,32
MCU_3V3 on POWER "NONET_L-01_P-001" (solid, remove dead copper, pour order 22): 14.4,18.9 14.4,18.3 14.4,14.8 6.1,15 3.85,15.65 3.497,16.003 3.497,17.603 2.5,18.5 1.875,18.5 1.575,18.8 1.8,19.65 1.8,21.275 1.8,22.1 1.8,23.1 1.8,25.3 12.9,25.3 13.2,25 14.4,23.8 14.4,21.8
VDD_5V_IN on POWER "NONET_L-01_P-001" (solid, remove dead copper, pour order 46): 0,28.15 1.3,28.15 1.475,27.975 1.625,27.825 1.625,22.125 1.625,19.45 2.55,18.525 3.437,17.637 3.438,15.312 2.625,14.5 2.25,14.125 2.25,12.625 0.05,12.625 -0.075,12.75 0,12.825 0,21.2
VDD_5V_IN on POWER "NONET_L-01_P-001" (solid, remove dead copper, pour order 88): 11.2,12.6 -0.15,12.6 -0.15,14.724 0.018,14.892 -0.125,15.525 5.65,15.45 13.25,15.1 12.35,12.825
GND on GND "NONET_L-01_P-001" (solid, remove dead copper, pour order 92): -0.3,-0.3 32.6,-0.3 33.8,0.9 33.8,32 33.7,32 31.7,34 31.5,33.8 2.6,33.8 1.6,33.8 -0.2,32
GND on S2 "NONET_L-01_P-001" (solid, remove dead copper, pour order 96): -0.3,-0.3 32.6,-0.3 33.8,0.9 33.8,32 33.7,32 31.7,34 31.5,33.8 2.6,33.8 1.6,33.8 -0.2,32
GND on Bottom Layer "NONET_L-01_P-001" (solid, remove dead copper, pour order 100): -0.3,-0.3 32.6,-0.3 33.8,0.9 33.8,32 33.7,32 31.7,34 31.5,33.8 2.6,33.8 1.6,33.8 -0.2,32

## Keep-outs
Keep-Out Layer:
  the board outline again, w0.013

## Other copper
Top Layer:
  rectangle net GND: 19.65,25.125 20.175,26.225

## Silkscreen, mask and mechanical layers (free items; w line width, h text height)
Top Overlay:
  lines w0.254: 4.137,4.484 3.121,5.5 ; 4.137,6.516 3.121,5.5 ; 6.55,5.5 3.121,5.5
  text "15" at 29.1,19.825 h1
  text "16" at 24.025,19.8 h1
  text "1" at 29.25,13.1 h1
  text "30" at 23.85,13 h1

## Text inside footprints (layer, text, board x,y; h text height)
D5: Top Overlay "-" at 9.724,5.4 h1.5 r270; Top Overlay "+" at 12.324,5.675 h1.5 r180